# Altium PCB lamp_controller.PcbDoc (part 1 of 3) (continued)
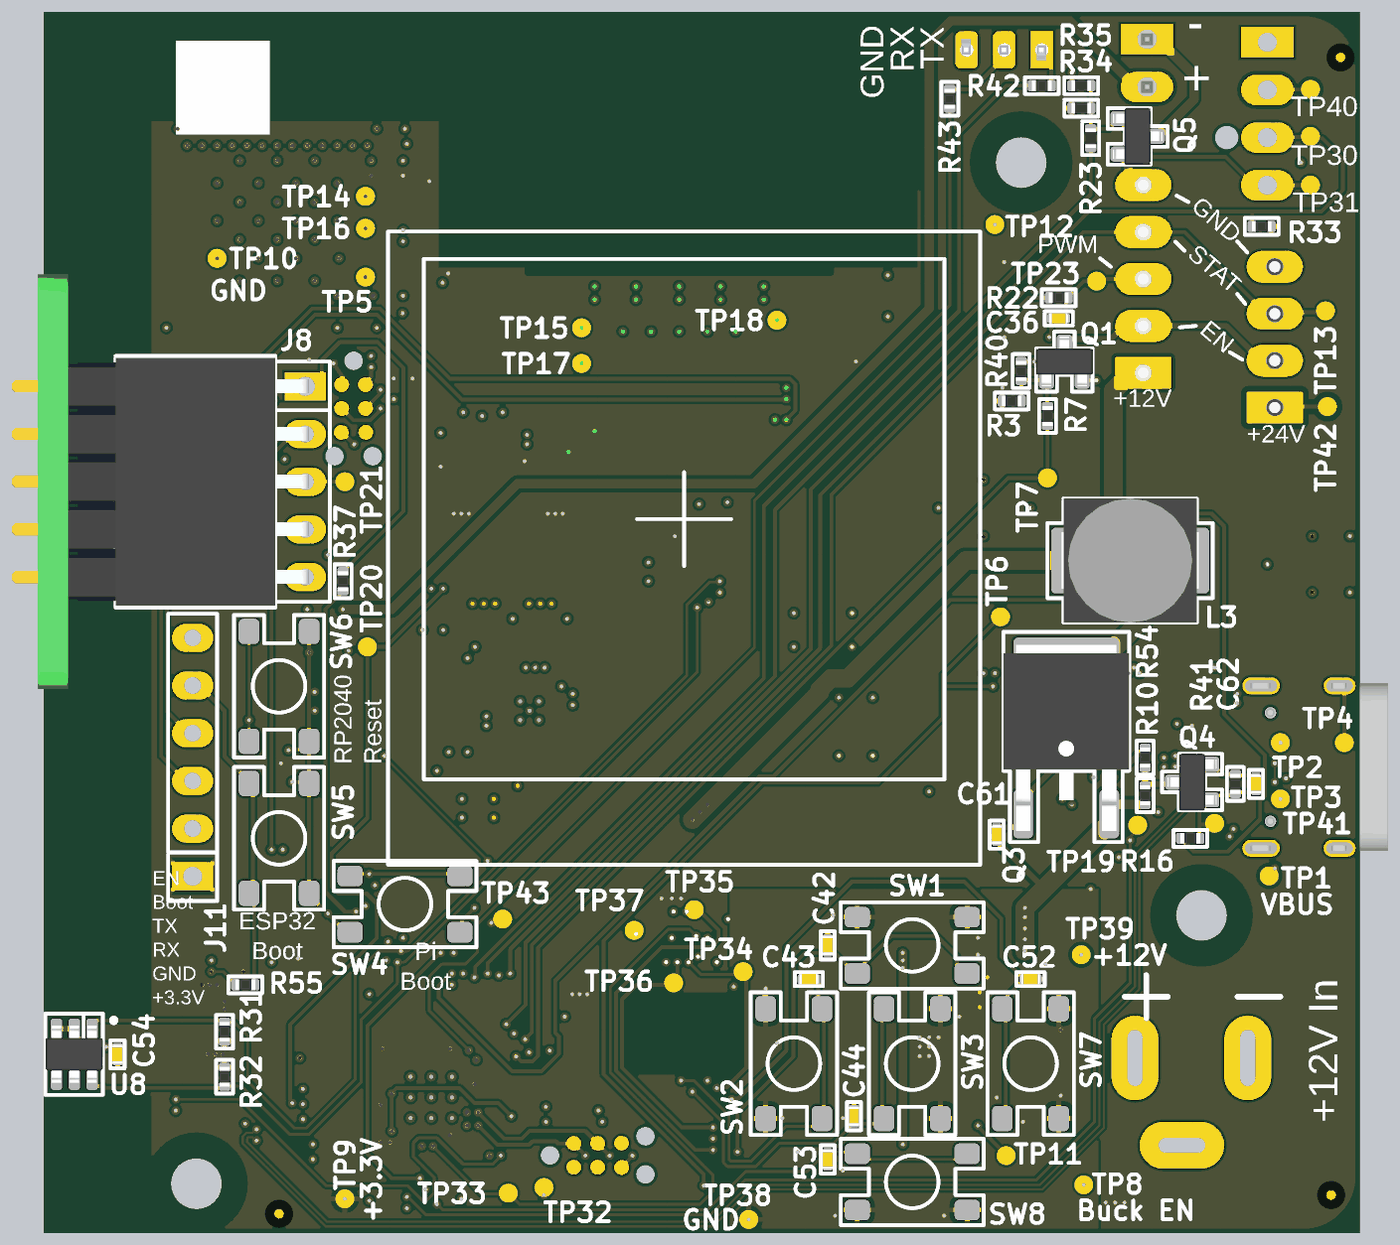
[diagram p7: 3D render of the assembled board from below, using the file's embedded part models]

## Layer stack, top to bottom
Top Solder: solder mask 0.0152, Solder Resist, Dk 3.8
Top Layer: signal copper 0.035
Dielectric 1: prepreg 0.0764, PP-006, Dk 3.91
Signal Layer 1: signal copper 0.0152
Core: core 1.265, FR-4, Dk 4.6
Signal Layer 2: signal copper 0.0152
Dielectric 2: prepreg 0.0764, PP-006, Dk 3.91
Bottom Layer: signal copper 0.035
Bottom Solder: solder mask 0.0152, Solder Resist, Dk 3.8

## Board outline
0.5,62 cw(c3.5,62) 3.5,65 62,65 cw(c62,62.001) 65,62 65,11.8 70.3,11.8 cw(c70.29,11.59) 70.5,11.6 70.5,7.4 cw(c70.3,7.4) 70.3,7.2 65,7.2 65,3 cw(c62.004,2.996) 62,0 3.5,0 cw(c3.5,3) 0.5,3

## Design rules (kind name [scope] priority, off if disabled: settings)
BoardOutlineClearance ignore_silkscreen [OnLayer('Top Overlay') OR OnLayer('Bottom Overlay')] p1: gap=0 ignorepadtopadclearanceinfootprint=FALSE
BoardOutlineClearance [All] p2: gap=0.2 ignorepadtopadclearanceinfootprint=FALSE
Clearance HV_clearance [InNetClass('HV')] p1: gap=0.1 ignorepadtopadclearanceinfootprint=TRUE except(0.5: Arc-Arc Arc-Track Arc-SMDPad Arc-THPad Arc-Via Arc-Fill Arc-Poly Arc-Region Arc-Text Arc-Hole Track-Track Track-SMDPad Track-THPad Track-Via Track-Fill Track-Poly Track-Region Track-Text Track-Hole; 1.2: SMDPad-SMDPad SMDPad-THPad THPad-THPad)
Clearance 24v_clearance [InNet('+24V') or InNet('NetJ1_2') or InNet('NetJ3_2')] p2: gap=0.3 ignorepadtopadclearanceinfootprint=TRUE
Clearance 12v_clearance [InNet('+12V') or InNet('+12V_SWITCHED') or InNet('VBUS')] p3: gap=0.2 ignorepadtopadclearanceinfootprint=TRUE
Clearance 5v_polygon_clearance_1 [(InNet('+5V') AND InPolygon)] p4: gap=0.254 ignorepadtopadclearanceinfootprint=FALSE
Clearance fiducial [HasFootprint('fiducial-0.5')] p5: gap=0.5 ignorepadtopadclearanceinfootprint=FALSE
Clearance outer_layer_clearance [OnLayer('Bottom Layer')   OR OnLayer('Top Layer')] p6: gap=0.127 ignorepadtopadclearanceinfootprint=TRUE except(0.152: Arc-THPad Arc-Via Arc-Text Arc-Hole Track-THPad Track-Via Track-Text Track-Hole SMDPad-SMDPad SMDPad-THPad SMDPad-Via SMDPad-Text SMDPad-Hole THPad-Text Via-Text Fill-Text Fill-Hole Poly-Text Poly-Hole Region-Text Region-Hole Text-Text Text-Hole; 0.231: Via-Hole; 0.356: THPad-THPad THPad-Via THPad-Hole)
Clearance inner_layer_clearance [All] p7: gap=0.152 ignorepadtopadclearanceinfootprint=TRUE except(0.102: Arc-Arc Arc-Track Track-Track; 0.127: Arc-Fill Arc-Poly Arc-Region Track-Fill Track-Poly Track-Region SMDPad-Fill SMDPad-Poly SMDPad-Region THPad-Fill THPad-Poly THPad-Region Via-Via Via-Fill Via-Poly Via-Region Fill-Fill Fill-Poly Fill-Region Poly-Poly Poly-Region Region-Region; 0.231: Via-Hole; 0.356: THPad-THPad THPad-Via THPad-Hole)
ComponentClearance fiducial_clearance [HasFootprint('FIDUCIAL')] p1: gap=0 collisioncheckmode=3 verticalgap=0 showdistances=FALSE
ComponentClearance [All] p2: gap=0.254 collisioncheckmode=3 verticalgap=0.254 showdistances=FALSE
DiffPairsRouting [All] p1: maxlimit=0.127 minlimit=0.127 mostfreqgap=0.127 toplayer_minwidth=0.179 toplayer_maxwidth=0.179 toplayer_prefwidth=0.112 midlayer1_minwidth=0.154 midlayer1_maxwidth=0.154 midlayer1_prefwidth=0.093 midlayer2_minwidth=0.154 midlayer2_maxwidth=0.154 midlayer2_prefwidth=0.093 bottomlayer_minwidth=0.179 bottomlayer_maxwidth=0.179 bottomlayer_prefwidth=0.112 impedanceprofiledriven=TRUE impedanceprofileid={7E14F61A-B919-4185-869E-9338D35A9579} impedanceprofilevalue=90.000000 maxuncoupledlength=12.7
HoleSize [All] p1: absolutevalues=TRUE maxlimit=6.3 minlimit=0.2 maxpercent=80.000 minpercent=20.000
HoleToHoleClearance via-to-via_clearance [IsVia] p1: gap=0.2 allowstackedmicrovias=TRUE
HoleToHoleClearance [All] p2: gap=0.35 allowstackedmicrovias=TRUE
MinimumAnnularRing usb-c [HasFootprint('USB_C_2.0_M12')] p1: minimumring=0.125
MinimumAnnularRing via_annular_ring [IsVia] p2: minimumring=0.1
MinimumAnnularRing annular_ring [All] p3: minimumring=0.2
MinimumSolderMaskSliver [All] p1: minsoldermaskwidth=0.046
PlaneConnect [All] p1: planeconnectstyle=Direct reliefexpansion=0.508 reliefentries=4 reliefconductorwidth=0.254 reliefairgap=0.254
PolygonConnect trinamic [InPadClass('thermal_pad')] p1: connectstyle=Direct reliefconductorwidth=0.254 reliefentries=4 polygonreliefangle="90 Angle" airgapwidth=0.254
PolygonConnect mounting_holes [HasFootprint('m3_hole')] p2: connectstyle=Direct reliefconductorwidth=0.254 reliefentries=4 polygonreliefangle="90 Angle" airgapwidth=0.254
PolygonConnect 5v_polygons [InNet('+5V')] p3: thpad.connectstyle=Relief thpad.reliefconductorwidth=0.508 thpad.reliefentries=4 thpad.polygonreliefangle="45 Angle" thpad.airgapwidth=0.254 smdpad.connectstyle=Relief smdpad.reliefconductorwidth=0.508 smdpad.reliefentries=4 smdpad.polygonreliefangle="90 Angle" smdpad.airgapwidth=0.254 via.connectstyle=Direct via.reliefconductorwidth=0.254 via.reliefentries=4 via.polygonreliefangle="90 Angle" via.airgapwidth=0.254
PolygonConnect [All] p4: thpad.connectstyle=Relief thpad.reliefconductorwidth=0.254 thpad.reliefentries=4 thpad.polygonreliefangle="45 Angle" thpad.airgapwidth=0.254 smdpad.connectstyle=Relief smdpad.reliefconductorwidth=0.254 smdpad.reliefentries=4 smdpad.polygonreliefangle="90 Angle" smdpad.airgapwidth=0.254 via.connectstyle=Direct via.reliefconductorwidth=0.254 via.reliefentries=4 via.polygonreliefangle="45 Angle" via.airgapwidth=0.254
RoutingVias [All] p1: holewidth=0.2 width=0.45 viastyle="Through Hole" minholewidth=0.2 minwidth=0.45 maxholewidth=0.3 maxwidth=3
SilkToSilkClearance [All] p1: silktosilkclearance=0
SilkToSolderMaskClearance [IsPad] p1: minsilkscreentomaskgap=0.075 clearancetoexposedcopper=TRUE
SolderMaskExpansion ViaTenting [IsVia] p1: expansion=0.05 istentingtop=TRUE
SolderMaskExpansion [All] p2: expansion=0.05 istentingtop=FALSE
SupplyNets "Schematic Supply Nets_5" [InNet('+5V')] p1: voltage=0.000
SupplyNets "Schematic Supply Nets_6" [InNet('+12V_SWITCHED')] p2: voltage=0.000
SupplyNets "Schematic Supply Nets_4" [InNet('VBUS')] p3: voltage=0.000
SupplyNets "Schematic Supply Nets_3" [InNet('GND')] p4: voltage=0.000
SupplyNets "Schematic Supply Nets_2" [InNet('+12V')] p5: voltage=0.000
SupplyNets "Schematic Supply Nets_1" [InNet('+3.3V')] p6: voltage=0.000
SupplyNets "Schematic Supply Nets" [InNet('+24V')] p7: voltage=0.000
Width [All] p1: maxlimit=3 minlimit=0.089 preferedwidth=0.203
22 further rules are at their usual default settings.

## Classes and differential pairs
component class lamp_controller: C8 C9 C10 C11 C12 C13 C14 C15 C16 C17 C18 C19 C20 C21 C34 C35 C36 C39 C40 C41 C42 C43 C44 C48 C49 C50 C51 C52 C53 C54 J2 J4 J5 J6 J7 J8 J9 J10 J11 J12 M1 M2 Q1 Q5 Q6 R3 R7 R12 R13 R15 R22 R23 R24 R25 R26 R31 R32 R33 R34 R35 R36 R37 R38 R40 R42 R43 R44 R45 R46 R47 R48 R49 R50 R51 R52 R53 R55 SW1 SW2 SW3 SW4 SW5 SW6 SW7 SW8 TP5 TP7 TP10 TP12 TP13 TP14 TP15 TP16 TP17 TP18 TP21 TP23 TP30 TP31 TP32 TP33 TP34 TP35 TP36 TP37 TP38 TP43 U2 U3 U7 U8 Y1
differential pair class USB_DIFF: USB0 USB1
net class 90_OHM: SWDIO USB0_D+ USB0_D- USB1_D+ USB1_D-
component class power: C1 C2 C3 C4 C5 C6 C7 C22 C23 C24 C25 C26 C27 C28 C29 C30 C31 C32 C33 C37 C38 C45 C46 C47 C55 C56 C57 C58 C59 C60 C61 C62 C63 D1 D2 D3 D4 D5 FID1 FID2 FID3 FID4 FID5 FID6 Hole1 Hole2 Hole3 J1 J3 L1 L2 L3 LED0 Q2 Q3 Q4 R1 R2 R4 R5 R6 R8 R9 R10 R11 R14 R16 R17 R18 R19 R20 R21 R27 R28 R29 R30 R39 R41 R54 TP1 TP2 TP3 TP4 TP6 TP8 TP9 TP11 TP19 TP20 TP22 TP39 TP40 TP41 TP42 U1 U4 U5 U6 U9
differential pair USB1: +USB1_D+ -USB1_D-
differential pair USB0: +USB0_D+ -USB0_D-

## Components (designator, comment, footprint, x,y, rotation, side; value= is the part's Value field where it differs from the comment)
C1 "GRM155R62A104KE14D" 0402_capacitor 9.2,30.1 r0 top value=100nF
C2 "GRM155R62A104KE14D" 0402_capacitor 23.4,22.5 r270 top value=100nF
C3 "GRM155R62A104KE14D" 0402_capacitor 20.3,23.1 r180 top value=100nF
C4 "GRM155R61E105KA12D" 0402_capacitor 12.7,28.9 r270 top
C5 "GRM155R61E105KA12D" 0402_capacitor 14.5,28.9 r270 top
C6 "GRM155R61E105KA12D" 0402_capacitor 13.6,28.9 r270 top
C7 "GRM155R62A104KE14D" 0402_capacitor 9.8,27.7 r180 top value=100nF
C8 "GRM155R62A104KE14D" 0402_capacitor 59.5,14.45 r0 top value=100nF
C9 "GRM155R62A104KE14D" 0402_capacitor 48.9,2.1 r90 top value=100nF
C10 "GRM155R62A104KE14D" 0402_capacitor 52.6,2.1 r90 top value=100nF
C11 "GRM155R62A104KE14D" 0402_capacitor 52.6,12.3 r270 top value=100nF
C12 "GRM155R62A104KE14D" 0402_capacitor 48.8,12.3 r270 top value=100nF
C13 "GRM155R62A104KE14D" 0402_capacitor 44.7,6.7 r0 top value=100nF
C14 "GRM155R62A104KE14D" 0402_capacitor 55.827,6.845 r180 top value=100nF
C15 "GRM155R62A104KE14D" 0402_capacitor 55.827,6.045 r180 top value=100nF
C16 "GRM155R61E105KA12D" 0402_capacitor 55.3,3.9 r180 top
C17 "GRM155R61E105KA12D" 0402_capacitor 55.3,4.7 r180 top
C18 "GRM155R62A104KE14D" 0402_capacitor 44.7,5.9 r0 top value=100nF
C19 "GRM155R62A104KE14D" 0402_capacitor 55.827,7.645 r180 top value=100nF
C20 "CC0402JRNPO9BN270" 0402_capacitor 41.8,11.5 r180 top value=27pF
C21 "CC0402JRNPO9BN270" 0402_capacitor 41.8,5.9 r0 top value=27pF
C22 "GRM32EC72A106KE05L" 1210_capacitor 19.9,12.8 r180 top
C23 "GRM155R61H474KE11D" 0402_capacitor 21.6,10.9 r180 top
C24 "GRM155R62A104KE14D" 0402_capacitor 24,7.6 r270 top value=100nF
C25 "GRT21BR61E226ME13L" 0805_capacitor 23.4,12.3 r90 top value=22μF
C26 "GRT21BR61E226ME13L" 0805_capacitor 22.6,15.3 r0 top value=22μF
C27 "GCM1555C1H300FA16D" 0402_capacitor 22.2,4.4 r270 top value=30pF
C28 "GCM1555C1H300FA16D" 0402_capacitor 21.3,4.4 r270 top value=30pF
C29 "GRM32EC72A106KE05L" 1210_capacitor 45.767,22.6 r180 top
C30 "GRM155R61H474KE11D" 0402_capacitor 44.867,24.6 r180 top
C31 "GRM32EC72A106KE05L" 1210_capacitor 44.067,34.3 r90 top
C32 "GRM32EC72A106KE05L" 1210_capacitor 47.067,34.3 r90 top
C33 "GRM155R62A104KE14D" 0402_capacitor 46.8,24.6 r0 top value=100nF
C34 "CL10A106MA8NRNC" 0603_capacitor 36.44,38 r0 top value=10µF
C35 "GRM155R62A104KE14D" 0402_capacitor 34.14,38 r270 top value=100nF
C36 "GRM155R61E105KA12D" 0402_capacitor 16.5,48.7 r180 bottom
C37 "GRM155R71H473KE14D" 0402_capacitor 48.967,26.5 r90 top
C38 "CC0402KRX7R9BB102" 0402_capacitor 47.967,26.5 r90 top
C39 "GRT21BR61E226ME13L" 0805_capacitor 46.1,41.7 r270 top value=22μF
C40 "GRT21BR61E226ME13L" 0805_capacitor 48.2,41.7 r270 top value=22μF
C41 "GRT21BR61E226ME13L" 0805_capacitor 26.4,49.9 r0 top value=22μF
C42 "GRM155R62A104KE14D" 0402_capacitor 28.8,15.3 r270 bottom value=100nF
C43 "GRM155R62A104KE14D" 0402_capacitor 29.8,13.5 r180 bottom value=100nF
C44 "GRM155R62A104KE14D" 0402_capacitor 27.4,6.2 r270 bottom value=100nF
C45 "GRM155R62A104KE14D" 0402_capacitor 17.6,27.9 r90 top value=100nF
C46 "GRM155R62A104KE14D" 0402_capacitor 13.9,20.4 r90 top value=100nF
C47 "GRM155R62A104KE14D" 0402_capacitor 50.367,33.2 r90 top value=100nF
C48 "GRT21BR61E226ME13L" 0805_capacitor 50.3,54 r90 top value=22μF
C49 "GRM155R62A104KE14D" 0402_capacitor 50.8,56.7 r270 top value=100nF
C50 "GRM155R61E105KA12D" 0402_capacitor 50.3,50.5 r0 top
C51 "CL10A106MA8NRNC" 0603_capacitor 32.1,14.6 r90 top value=10µF
C52 "GRM155R62A104KE14D" 0402_capacitor 18,13.5 r0 bottom value=100nF
C53 "GRM155R62A104KE14D" 0402_capacitor 28.8,3.9 r90 bottom value=100nF
C54 "GRM155R62A104KE14D" 0402_capacitor 66.6,9.5 r270 bottom value=100nF
C55 "UUD1V221MNL1GS" UUD1V221MNL1GS 6.5,35.6 r180 top
C56 "UUD1V221MNL1GS" UUD1V221MNL1GS 16.9,38.6 r0 top
C57 "GRM155R61E105KA12D" 0402_capacitor 55.6,33.2 r180 top
C58 "GRM155R61E105KA12D" 0402_capacitor 57.4,33.2 r0 top
C59 "GCM1555C1H300FA16D" 0402_capacitor 57.1,28.8 r0 top value=30pF
C60 "GCM1555C1H300FA16D" 0402_capacitor 57.1,27.8 r0 top value=30pF
C61 "GRM155R62A104KE14D" 0402_capacitor 19.8,21.2 r270 bottom value=100nF
C62 "GRM155R62A104KE14D" 0402_capacitor 6,23.9 r270 bottom value=100nF
C63 "GRM155R62A104KE14D" 0402_capacitor 48.6,24.6 r180 top value=100nF
D1 "STPS5H100AFY" SOD128 20.6,20 r0 top
D2 "SMCJ33CA-13-F" SMCJ33CA-13-F 25.6,32.1 r0 top
D3 "SMCJ33CA-13-F" SMCJ33CA-13-F 27.3,23.5 r90 top
D4 "STPS5H100AFY" SOD128 15.7,11.1 r270 top
D5 "STPS5H100AFY" SOD128 40.967,33.6 r270 top
FID1 "FID?" fiducial-0.5 1.4,61.8 r90 top
FID2 "FID?" fiducial-0.5 59,1 r0 top
FID3 "FID?" fiducial-0.5 2,2 r90 top
FID4 "FID?" fiducial-0.5 1.5,62.6 r90 bottom
FID5 "FID?" fiducial-0.5 2,2 r90 bottom
FID6 "FID?" fiducial-0.5 58,1 r90 bottom
Hole1 "M2.5" m2.5_hole_no_pad 8.9,16.9 r0 top
Hole2 "M2.5" m2.5_hole_no_pad 18.5,57 r0 top
Hole3 "M2.5" m2.5_hole_no_pad 62.4,2.6 r0 top
J1 "USB-C" USB_C_2.0_M12 2.94,24.8 r270 top locked
J2 "PXZ120I1/2 Ballast" B04B-XASK-1 5,47.7 r90 top
J3 "+12V In" DC-005-A200 6.44,9.3 r0 top locked
J4 "RP2040 Debug" debug_header_dual 43.58,4.116 r180 top locked
J5 "Radio Debug" debug_header_dual 54.035,46.44 r270 top
J6 "PXZ120I3 Ballast" B05B-XASK-1 12,50.8 r90 top
J7 "Fan" 470531000 5.4,59.6 r90 top
J8 "mmWave" radar_angled_1 56.6,40 r270 bottom locked
J9 "UART" B3B-PH-K-S(LF)(SN) 19.4,63 r180 top
J10 "Fan Alternate" 22012027 11.8,62.3 r270 top
J11 "ESP32 Programming" 69190-106HLF 62.6,24.06 r90 bottom
J12 "ER-TFT1.54-2 LCD" FH35C-15S-0.3SHW(50) 36.44,15.1 r0 top locked
L1 "NRS6045T220MMGKV" 2424_inductor 27.6,10.6 r90 top
L2 "SL1050-100M" 1050_inductor 36.567,24.6 r90 top
L3 "SMMS0630-100M" SMMS0630 12.7,35.8 r0 bottom
LED0 "LTST-C191TGKT" 0603_diode 28.75,4.7 r0 top
M1 "BLE/WiFi" WT02C40C 36.7,51.1 r0 top locked
M2 "Bluetooth, WiFi" ESP32-C6-MINI-1 58.1,53.9 r0 top
Q1 "DMN3404L-7" SOT-23-3 16.2,46.4 r90 bottom
Q2 "P-FET" SOT95P280X115-3N 22.2,25 r270 top
Q3 "P-FET" TO-252 16.1,26.5 r90 bottom value=51mR
Q4 "DMN3404L-7" SOT-23-3 9.4,24 r0 bottom
Q5 "DMN3404L-7" SOT-23-3 12.3,58.4 r180 bottom
Q6 "DMN3404L-7" SOT-23-3 45.7,16.6 r180 top
R1 "RMCF0402FT100K" 0402_resistor 20,27.9 r270 top value=100kΩ
R2 "RMCF0402FT100K" 0402_resistor 20,25.7 r90 top value=100kΩ
R3 "RMCF0402FT10K0" 0402_resistor 19,44.3 r180 bottom
R4 "CR0402-FX-1001GLF" 0402_resistor 18.4,26.2 r0 top
R5 "RMCF0402FT100R" 0402_resistor 18.8,23.6 r270 top
R6 "RMCF0402FT10K0" 0402_resistor 18.8,27.9 r90 top
R7 "RMCF0402FT100R" 0402_resistor 17.1,43.5 r90 bottom
R8 "RC0402FR-0722K1L" 0402_resistor 18.4,25.1 r0 top value=22.1kΩ
R9 "CR0402-FX-1001GLF" 0402_resistor 20.3,22.1 r0 top
R10 "RMCF0402FT10K0" 0402_resistor 11.9,23.3 r270 bottom
R11 "RMCF0402FT49R9" 0402_resistor 23.7,4.7 r0 top
R12 "RMCF0402FT10K0" 0402_resistor 55.9,14.65 r0 top
R13 "RMCF0402ZT0R00" 0402_resistor 27.3,47.6 r90 top
R14 "RMCF0402FT100R" 0402_resistor 26.2,4.7 r180 top
R15 "CR0402-FX-1001GLF" 0402_resistor 44.7,7.6 r0 top
R16 "RMCF0402FT100R" 0402_resistor 9.5,21 r180 bottom
R17 "RMCF0402FT100K" 0402_resistor 20.3,4.4 r270 top value=100kΩ
R18 "RC0402FR-0722K1L" 0402_resistor 19.2,5.4 r270 top value=22.1kΩ
R19 "RMCF0402FT100K" 0402_resistor 16.2,20.4 r270 top value=100kΩ
R20 "RMCF0402FT100K" 0402_resistor 49.267,35.4 r90 top value=100kΩ
R21 "RMCF0402FT10K0" 0402_resistor 15,20.4 r90 top
R22 "CR0402-FX-1001GLF" 0402_resistor 16.5,49.8 r180 bottom
R23 "RMCF0402FT100R" 0402_resistor 14.8,58.3 r90 bottom
R24 "CR0402-FX-1001GLF" 0402_resistor 54.3,15.1 r90 top
R25 "RMCF0402FT27R0" 0402_resistor 58,5.9 r0 top
R26 "RMCF0402FT27R0" 0402_resistor 58,4.8 r0 top
R27 "RMCF0402FT10K0" 0402_resistor 49.267,33.2 r90 top
R28 "AC0402FR-07187KL" 0402_resistor 49.167,29.5 r90 top
R29 "RC0402FR-071K65L" 0402_resistor 48.467,27.9 r180 top
R30 "RC0402FR-0760K4L" 0402_resistor 46.467,31.2 r180 top
R31 "RMCF0402FT10K0" 0402_resistor 60.9,10.7 r90 bottom
R32 "RMCF0402FT10K0" 0402_resistor 60.9,8.3 r270 bottom
R33 "RMCF0402FT10K0" 0402_resistor 5.7,53.6 r0 bottom